# Altium PCB 电磁阀V3.0.PcbDoc (part 1 of 2) (continued)
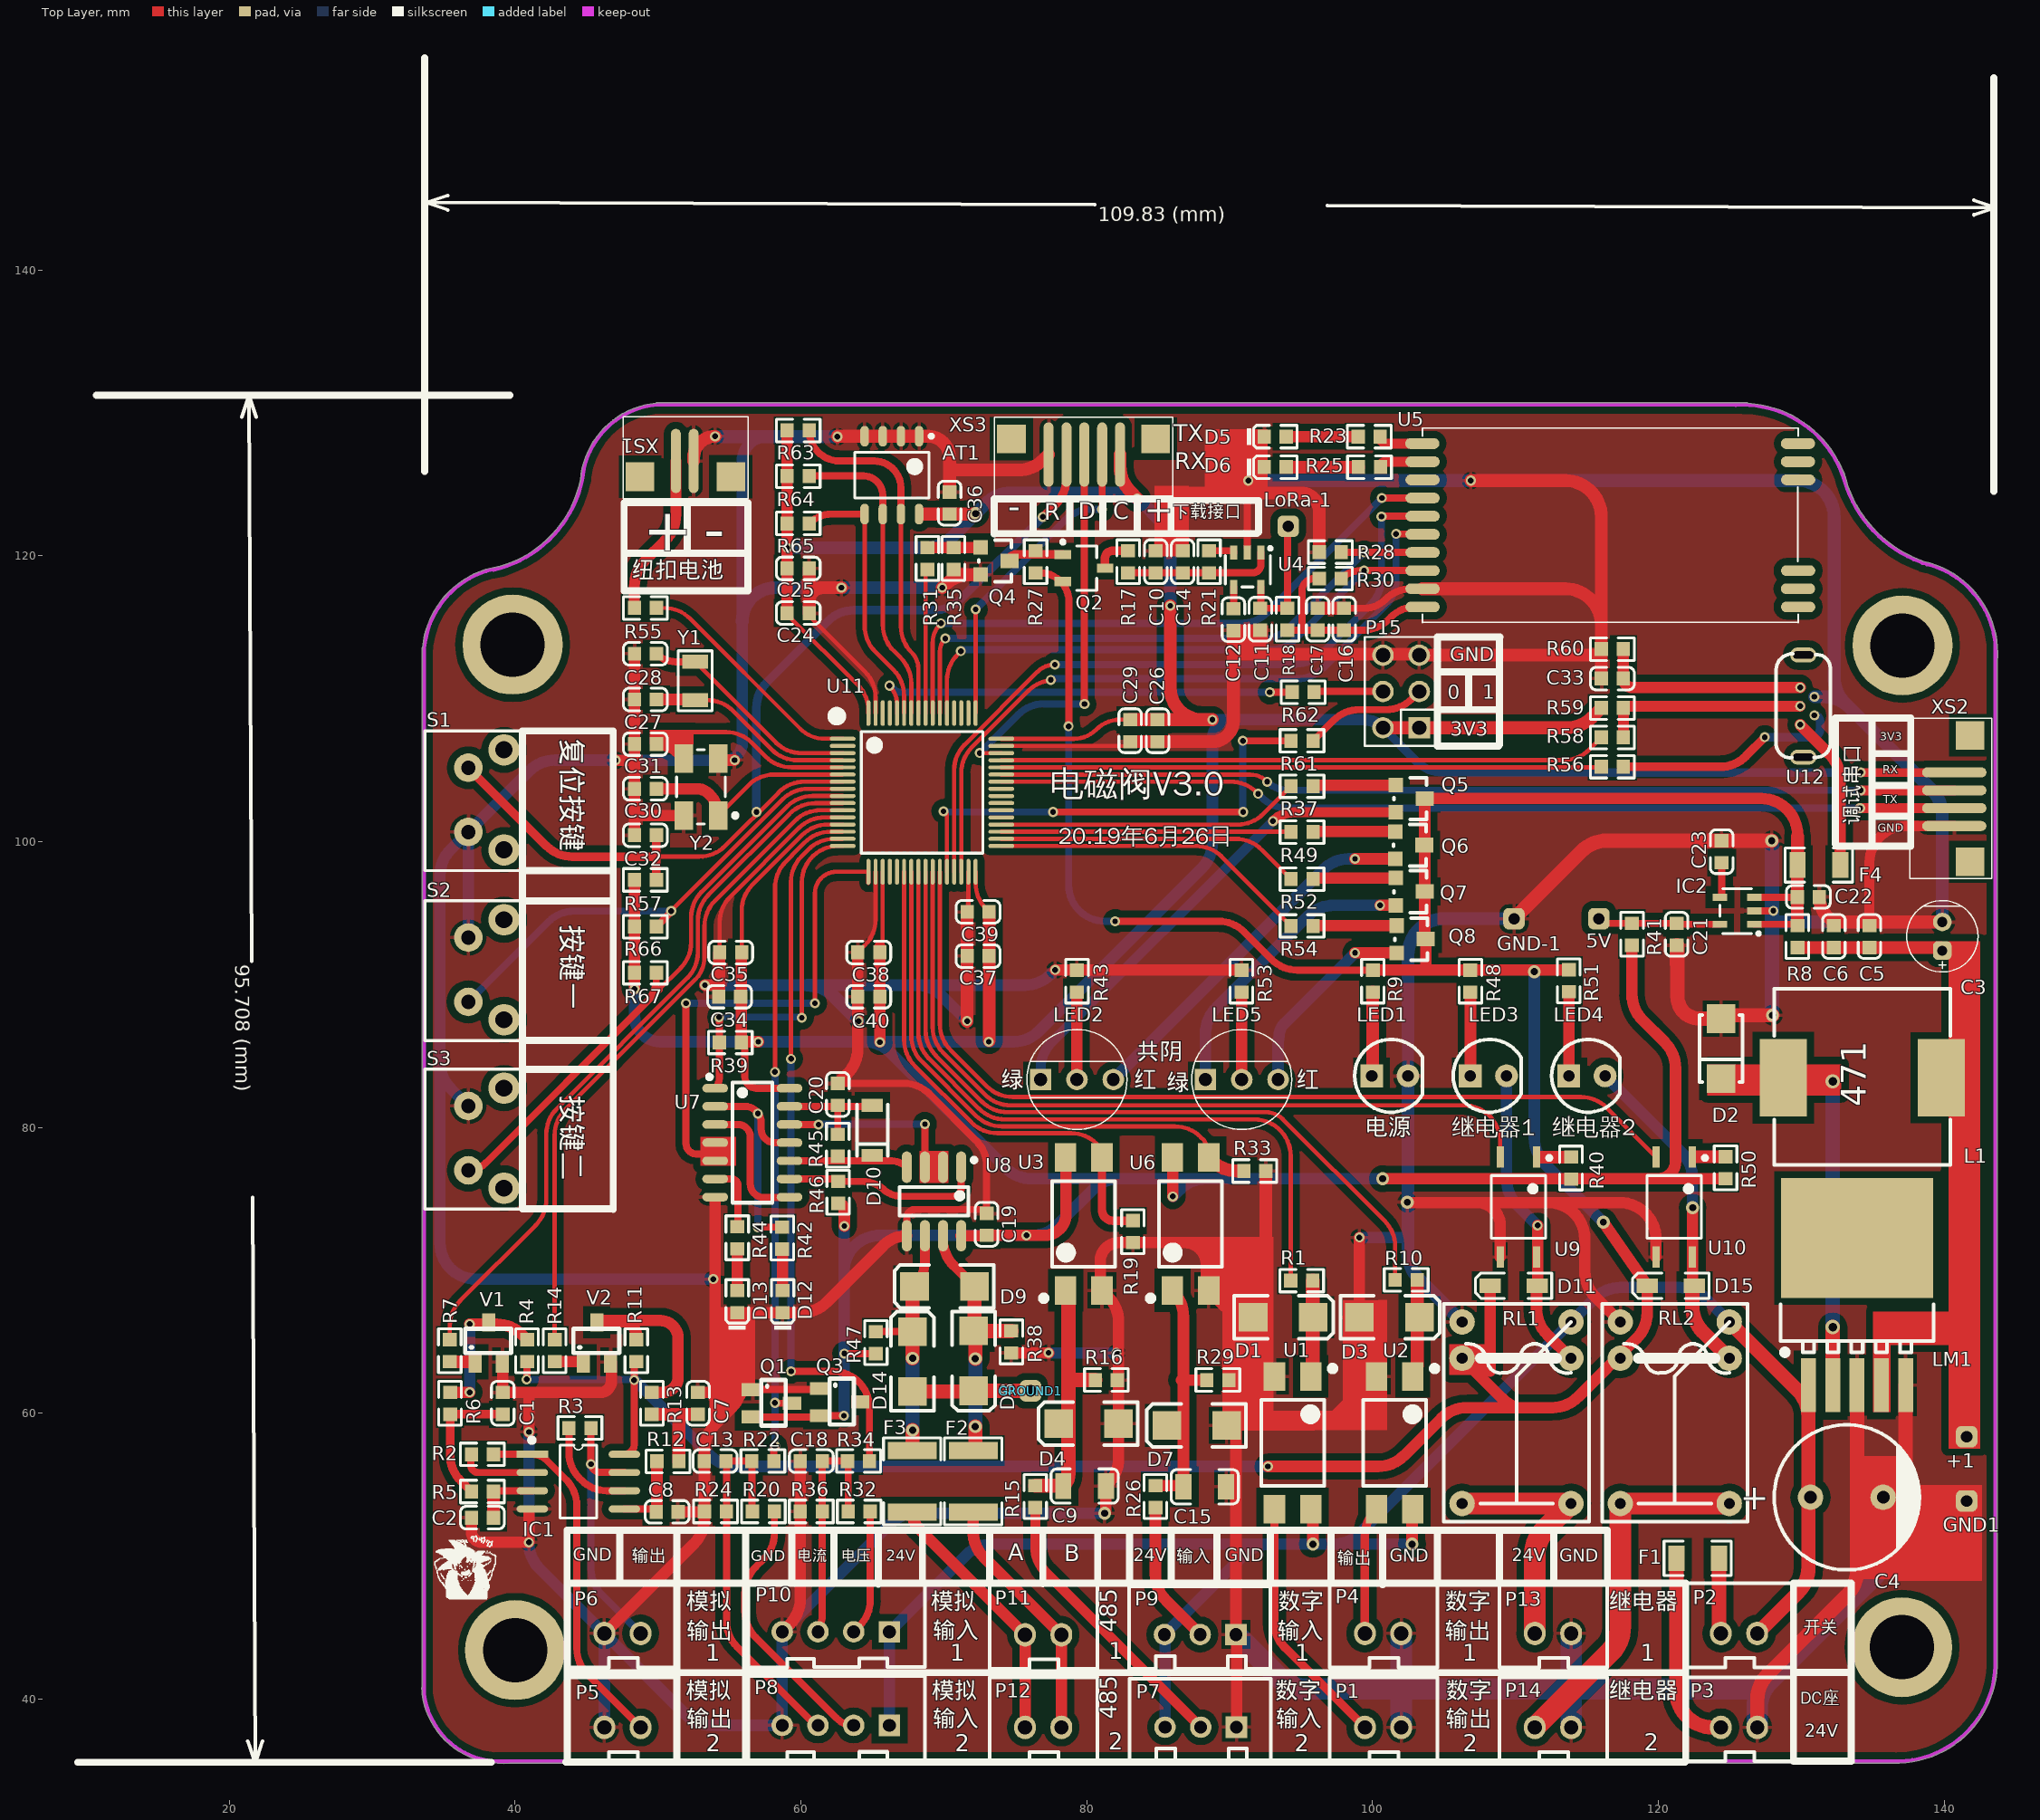
[diagram p0: Top Layer view]
## Components (designator, comment, footprint, x,y, rotation, side; value= is the part's Value field where it differs from the comment) (continued)
R38 "4.7KΩ (4701) ±1%" LC-0603_R 74.727,64.999 r90 top
R39 "4.7KΩ (4701) ±1%" LC-0603_R 55.067,85.954 r0 top
R40 "330Ω (3300) ±1%" LC-0603_R 113.894,77.165 r270 top
R41 "0Ω (0R0) ±1%" LC-0603_R 118.161,93.523 r270 top
R42 "1KΩ (1001) ±1%" LC-0603_R 58.699,72.263 r90 top
R43 "1KΩ (1001) ±1%" LC-0603_R 79.324,90.246 r270 top
R44 "1KΩ (1001) ±1%" LC-0603_R 55.55,72.288 r90 top
R45 "56KΩ (5602) ±1%" LC-0603_R 62.586,78.765 r90 top
R46 "4.7KΩ (4701) ±1%" LC-0603_R 62.611,75.463 r90 top
R47 "4.7KΩ (4701) ±1%" LC-0603_R 65.253,64.948 r90 top
R48 "1KΩ (1001) ±1%" LC-0603_R 106.858,90.246 r270 top
R49 "1KΩ (1001) ±1%" LC-0603_R 95.072,100.681 r180 top
R50 "330Ω (3300) ±1%" LC-0603_R 124.714,77.191 r270 top
R51 "1KΩ (1001) ±1%" LC-0603_R 113.741,90.272 r270 top
R52 "1KΩ (1001) ±1%" LC-0603_R 95.072,97.384 r0 top
R53 "1KΩ (1001) ±1%" LC-0603_R 90.83,90.246 r270 top
R54 "1KΩ (1001) ±1%" LC-0603_R 95.072,94.107 r180 top
R55 "0R" R-0603 49.124,116.357 r0 top
R56 "22Ω (22R0) ±1%" LC-0603_R 116.789,105.245 r180 top
R57 "10K" R-0603 49.124,97.333 r180 top
R58 "22Ω (22R0) ±1%" LC-0603_R 116.789,107.302 r180 top
R59 "1KΩ (1001) ±1%" LC-0603_R 116.789,109.36 r180 top
R60 "10KΩ (1002) ±1%" LC-0603_R 116.789,113.474 r0 top
R61 "10K" R-0603 95.072,107.061 r0 top
R62 "10K" R-0603 95.148,110.465 r180 top
R63 "10KΩ (1002) ±1%" LC-0603_R 59.817,128.778 r180 top
R64 "10KΩ (1002) ±1%" LC-0603_R 59.817,125.578 r180 top
R65 "10KΩ (1002) ±1%" LC-0603_R 59.817,122.276 r180 top
R66 "10KΩ (1002) ±1%" LC-0603_R 49.124,94.056 r0 top
R67 "10KΩ (1002) ±1%" LC-0603_R 49.124,90.83 r0 top
RL1 "HK4100F-DC5V-SHG" HK4100F-DC5V-SHG 110.134,59.639 r270 top
RL2 "HK4100F-DC5V-SHG" HK4100F-DC5V-SHG 121.209,59.639 r270 top
S1 "6*6*12" KEY-7.0*7.0 37.978,102.931 r90 top
S2 "6*6*12" KEY-7.0*7.0 37.978,91.044 r90 top
S3 "6*6*12" KEY-7.0*7.0 37.978,79.259 r90 top
U1 "PC817" LC-SMD-4 94.412,57.937 r270 top
U2 "PC817" LC-SMD-4 101.549,57.937 r270 top
U3 "PC817" LC-SMD-4 79.801,73.255 r90 top
U4 "CAT6219-330TD-GT3" SOT23-5 92.268,117.888 r180 top
U5 "M-KL9" M-KL9 104.124,127.864 r0 top
U6 "PC817" LC-SMD-4 87.274,73.255 r90 top
U7 "74HC04D" SOIC-14_150mil 56.607,78.943 r270 top
U8 "MAX485ESA" SOP-8_150mil 69.317,74.828 r180 top
U9 "TLP187" "TLP187 - duplicate" 110.211,74.447 r270 top
U10 "TLP187" "TLP187 - duplicate" 121.107,74.447 r270 top
U11 "STM32F103RCT6" LQFP-64_10x10x05P 68.478,103.454 r270 top
U12 "立式micro 5p USB插座" "USB插座 micro 5p" 129.93,109.493 r90 top
V1 "S8050" SOT-23-3 37.211,63.602 r0 top
V2 "S8050" SOT-23-3 44.78,63.602 r0 top
XS1 "2Pin 2.54" JXT-2 51.252,126.644 r270 top
XS2 "1.27 4PIN" JXT-4 140.716,101.101 r0 top
XS3 "Header 2.54X4" JXT-5 82.336,127.094 r90 top
Y1 "32.768k" 3215_32.768K 52.603,111.252 r90 top
Y2 "8MHz ±20ppm 20pF" LC-SMD-5032_4P 53.01,103.835 r90 top

## Footprints (in the part's own frame and the unit in brackets; to place one, negate y for a bottom-side part, rotate by r counter-clockwise, add the part's x,y. Pads: shape width x height; smd on the part's side, far side on the other; paste and mask are expansions set on the pad)
2Pin-2.54A [mil]
  oval 60x65 hole 39.37: 1(0,0) 2(-100.1,0)
  silkscreen extent -200,-138 97,93, body extent -198,-142 98,94, height 276
3PIN-2.54 [mm]
  rect 1.5x1.5 hole 0.9: 1(0,0)
  round 1.5 hole 0.9: 2(2.5,0) 3(5,0)
  silkscreen extent -2.41,-3.38 7.47,2.39, body extent -2.41,-3.41 7.49,2.34, height 7
"4PIN-2.54 A" [mm]
  rect 1.5x1.5 hole 0.9: 1(0,0)
  round 1.5 hole 0.9: 2(2.5,0) 3(5,0) 4(7.5,0)
  silkscreen extent -2.49,-3.45 9.88,2.49, body extent -2.47,-3.38 9.93,2.37, height 7
201S2X3 [mm]
  rect 1.5x1.5 hole 1: 1(0,0)
  round 1.5 hole 1: 2(0,2.54) 3(2.54,0) 4(2.54,2.54) 5(5.08,0) 6(5.08,2.54)
  silkscreen extent -1.27,-1.27 6.35,3.81, body extent -1.27,-1.23 6.35,3.77, height 8.4
3215_32.768K [mm]
  rect 1x1.8 smd: 1(-1.346,0) 2(1.346,0)
  silkscreen extent -2.08,-1.19 2.11,1.19, body extent -1.53,-0.71 1.67,0.79, height 0.86
AT24C02 [mm]
  oval 1.45x0.6 smd: 1(-2.725,1.905) 2(-2.725,0.635) 3(-2.725,-0.635) 4(-2.725,-1.905) 5(2.725,-1.905) 6(2.725,-0.635) 7(2.725,0.635) 8(2.725,1.905)
  silkscreen extent -2.85,-2.6 1.6,2.88, body extent -2,-2.6 2,2.6, height 2.65
C10x16 [mil] "RB.2/"
  round 70 hole 35: 1(0,1) 2(-200,1)
  silkscreen extent -300,-199 100,201, body extent -297,-198 97,196, height 709
C-0603 [mm]
  rect 0.93x0.98 smd: 1(-0.77,0) 2(0.77,0)
  silkscreen extent -1.54,-0.79 1.53,0.79, body extent -0.8,-0.4 0.8,0.4, height 0.3
CAP5*X [mm]
  rrect50% 1.3x1.3 hole 0.7: 1(0,0)
  round 1.3 hole 0.7: 2(2,0)
  silkscreen extent -1.5,-2.5 3.5,2.5, body extent -1.52,-2.44 3.48,2.54, height 10.06
DO-214AC [mm]
  rect 2x2 smd: 1(-2.049,0) 2(2.151,0)
  silkscreen extent -3.38,-1.5 3.55,1.5, body extent -2.25,-1.35 2.35,1.35, height 2.4
Fuse-1206 [mm]
  rect 1.13x1.8 smd: 1(-1.49,0) 2(1.49,0)
  silkscreen extent -2.36,-1.2 2.35,1.2, body extent -1.58,-0.83 1.63,0.83, height 0.56
FUSE-1206 [mm]
  rect 1.13x1.8 smd: 1(-1.49,0) 2(1.49,0)
  silkscreen extent -2.36,-1.2 2.35,1.2, body extent -1.58,-0.83 1.63,0.83, height 0.56
HK4100F-DC5V-SHG [mil]
  round 70 hole 30: 1(-266,-152) 2(-166,-152) 3(234,-152) 4(234,148) 5(-166,148) 6(-266,148)
  silkscreen extent -316,-202 284,198, body extent -318,-208 288,202, height 465
JXT-2 [mm] "1.27"
  rect 2x2 smd: 0(1.1,3.85) 0(1.1,-2.5)
  oval 4.5x0.7 smd: 1(0,1.25) 2(0,0)
  silkscreen extent -3.1,-3.68 2.62,5.05, body extent -1.86,-3.26 2.84,4.53, height 3.35
JXT-4 [mm]
  rect 2x2 smd: 0(1.1,-2.5) 0(1.1,6.35)
  oval 4.5x0.7 smd: 1(0,3.75) 2(0,2.5) 3(0,1.25) 4(0,0)
  silkscreen extent -3.1,-3.68 2.62,7.55, body extent -2.08,-3.27 2.62,7.02, height 3.35
JXT-5 [mm]
  rect 2x2 smd: 0(1.1,7.6) 0(1.1,-2.5)
  oval 4.5x0.7 smd: 1(0,5) 2(0,3.75) 3(0,2.5) 4(0,1.25) 5(0,0)
  silkscreen extent -3.1,-3.68 2.62,8.8, body extent -2.01,-3.26 2.69,8.28, height 3.35
KEY-7.0*7.0 [mm]
  round 2.2 hole 1.2: 0(-3.5,-1.25) 0(3.5,-1.25)
  round 2 hole 1: 1(-2.25,1.25) 2(2.25,1.25)
  silkscreen extent -4.95,-2.54 4.83,4.29
LC-0603_C [mm]
  rect 0.93x0.98 smd: 1(-0.77,0) 2(0.77,0)
  silkscreen extent -1.53,-0.79 1.54,0.79, body extent -0.8,-0.4 0.8,0.4, height 0.3
LC-0603_LED_S1 [mm]
  rect 0.93x0.98 smd: A(0.77,0) K(-0.77,0)
  silkscreen extent -1.97,-0.79 1.54,0.79, body extent -0.8,-0.4 0.8,0.4, height 0.6
LC-0603_R [mm]
  rect 0.93x0.98 smd: 1(-0.77,0) 2(0.77,0)
  silkscreen extent -1.53,-0.79 1.54,0.79, body extent -0.85,-0.4 0.85,0.4, height 0.56
LC-1206_C [mm]
  rect 1.13x1.8 smd: 1(-1.49,0) 2(1.49,0)
  silkscreen extent -2.36,-1.2 2.36,1.2, body extent -1.6,-0.81 1.6,0.79, height 1
LC-SMA(DO-214AC)_S1 [mm]
  rect 2x2 smd: 1(2.1,0) 2(-2.1,0)
  silkscreen extent -2.35,-1.5 2.35,1.5
LC-SMD-4 [mm]
  rect 2x1.5 smd: 1(-4.65,1.27) 2(-4.65,-1.27) 3(4.65,-1.27) 4(4.65,1.27)
  silkscreen extent -5.4,-2.2 3,3, body extent -5.02,-2.42 5.01,2.42, height 3.9
LC-SMD-5032_4P [mm]
  rect 2x1.3 smd: 1(-2,-1.2) 2(2,-1.2) 3(2,1.2) 4(-2,1.2)
  silkscreen extent -2.6,-2.55 2.6,1.7
LC-SOT-23-3L [mm] "http://www.aosmd.com/res/packaging_information/SOT-2"
  rect 1.15x0.65 smd: 1(1.475,-0.95) 2(1.475,0.95) 3(-1.475,0)
  silkscreen extent -0.9,-1.95 1.6,1.55, body extent -0.9,-1.55 0.9,1.55, height 1.25
LC-TO-263-5 [mm]
  rect 8.4x10.65 smd: 0(-10.3,0)
  rect 3.8x1.05 smd: 1(0,-3.4) 2(0,-1.7) 3(0,0) 4(0,1.7) 5(0,3.4)
  silkscreen extent -5.65,-5.35 -2.1,5.35
LED_5mm [mm]
  rect 1.6x1.6 hole 0.8: 1(0,0)
  round 1.6 hole 0.8: 2(2.54,0)
  silkscreen extent -1.2,-2.54 3.56,2.55, body extent -0.53,-2.03 2.97,1.77, height 6.5
LL-34 [mm]
  rect 0.9x1.5 smd: 1(1.75,0) 2(-1.75,0)
  silkscreen extent -1.8,-1.08 1.8,1.08
LQFP-64_10x10x05P [mm]
  oval 0.28x1.8 smd mask+0.051: 1(-3.75,-5.55) 2(-3.25,-5.55) 3(-2.75,-5.55) 4(-2.25,-5.55) 5(-1.75,-5.55) 6(-1.25,-5.55) 7(-0.75,-5.55) 8(-0.25,-5.55) 9(0.25,-5.55) 10(0.75,-5.55) 11(1.25,-5.55) 12(1.75,-5.55) 13(2.25,-5.55) 14(2.75,-5.55) 15(3.25,-5.55) 16(3.75,-5.55) 33(3.75,5.55) 34(3.25,5.55) 35(2.75,5.55) 36(2.25,5.55) 37(1.75,5.55) 38(1.25,5.55) 39(0.75,5.55) 40(0.25,5.55) 41(-0.25,5.55) 42(-0.75,5.55) 43(-1.25,5.55) 44(-1.75,5.55) 45(-2.25,5.55) 46(-2.75,5.55) 47(-3.25,5.55) 48(-3.75,5.55)
  oval 1.8x0.28 smd mask+0.051: 17(5.55,-3.75) 18(5.55,-3.25) 19(5.55,-2.75) 20(5.55,-2.25) 21(5.55,-1.75) 22(5.55,-1.25) 23(5.55,-0.75) 24(5.55,-0.25) 25(5.55,0.25) 26(5.55,0.75) 27(5.55,1.25) 28(5.55,1.75) 29(5.55,2.25) 30(5.55,2.75) 31(5.55,3.25) 32(5.55,3.75) 49(-5.55,3.75) 50(-5.55,3.25) 51(-5.55,2.75) 52(-5.55,2.25) 53(-5.55,1.75) 54(-5.55,1.25) 55(-5.55,0.75) 56(-5.55,0.25) 57(-5.55,-0.25) 58(-5.55,-0.75) 59(-5.55,-1.25) 60(-5.55,-1.75) 61(-5.55,-2.25) 62(-5.55,-2.75) 63(-5.55,-3.25) 64(-5.55,-3.75)
  silkscreen extent -5.48,-6.12 4.25,4.25, body extent -6,-6 6,6, height 1.6
M-KL9 [mm]
  oval 2.4x0.75 smd: 1(-0.635,0) 2(-0.619,-1.27) 3(-0.619,-2.54) 4(-0.619,-3.81) 5(-0.619,-5.08) 6(-0.619,-6.35) 7(-0.619,-7.62) 8(-0.619,-8.89) 9(-0.619,-10.16) 10(-0.619,-11.43) 11(25.67,-11.43) 12(25.654,-10.16) 13(25.67,-8.89) 14(25.67,-2.54) 15(25.654,-1.27) 16(25.654,0)
  silkscreen extent -0.62,-12.51 25.67,1.09
R-0603 [mm]
  rect 0.93x0.98 smd: 1(-0.77,0) 2(0.77,0)
  silkscreen extent -1.53,-0.79 1.54,0.79, body extent -0.85,-0.4 0.85,0.4, height 0.56
R-1812 [mm]
  rect 1.2x3.42 smd: 1(-2.15,0) 2(2.15,0)
  silkscreen extent -3.05,-2.01 3.05,2.01, body extent -2.25,-1.6 2.25,1.6, height 0.59
SMD,13.8x12.6x7mm [mm]
  rect 5.4x3.3 smd: 1(0,5.334) 2(0,-5.715)
  silkscreen extent -6.1,-6.35 6.22,5.97
SOD-123 [mm]
  rect 1.5x1 smd: 1(1.651,0) 2(-1.651,0)
  silkscreen extent -2.67,-0.89 2.67,0.89, body extent -1.85,-0.77 1.85,0.78, height 1.35
SOIC-14_150mil [mm]
  oval 0.6x1.8 smd: 1(-3.81,-2.6) 2(-2.54,-2.6) 3(-1.27,-2.6) 4(0,-2.6) 5(1.27,-2.6) 6(2.54,-2.6) 7(3.81,-2.6) 8(3.81,2.6) 9(2.54,2.6) 10(1.27,2.6) 11(0,2.6) 12(-1.27,2.6) 13(-2.54,2.6) 14(-3.81,2.6)
  silkscreen extent -4.75,-3.15 4.2,1.4, body extent -4.27,-2.9 4.28,2.9, height 1.75
SOP8 [mm]
  rect 2.2x0.5 smd: 1(0,0)
  oval 2.2x0.5 smd: 2(0,-1.275) 3(0,-2.55) 4(0,-3.825) 5(6.44,-3.825) 6(6.44,-2.55) 7(6.44,-1.275) 8(6.44,0)
  silkscreen extent -0.22,-4.46 4.5,1.18, body extent 0.22,-4.39 6.22,0.51, height 1.7
SOP-8_150mil [mm]
  oval 0.7x2.2 smd: 1(-1.905,-2.4) 2(-0.635,-2.4) 3(0.635,-2.4) 4(1.905,-2.4) 5(1.905,2.4) 6(0.635,2.4) 7(-0.635,2.4) 8(-1.905,2.4)
  silkscreen extent -2.95,-3.05 2.4,1, body extent -2.5,-3.1 2.5,3.1, height 1.75
SOT23-5 [mm]
  rect 0.5x1 smd: 1(0.066,-2.343) 2(1.016,-2.343) 3(1.966,-2.343) 4(1.966,0.057) 5(0.066,0.057)
  silkscreen extent -0.68,-2.74 2.57,0.06, body extent -0.43,-2.54 2.47,0.26, height 1.2
SOT-23 [mil]
  rect 40x40 smd: 1(4.88,0.63) 2(79.88,0.63)
  rect 40x50 smd: 3(41.88,80.63)
  silkscreen extent -15,-4 100,86, body extent -15,-11 99,99, height 47
SOT-23-3 [mil]
  rect 36x59.06 smd: 1(0,0) 2(74.8,0)
  rect 36x50 smd: 3(37,109)
  silkscreen extent -28,24 99,91, body extent -20,-1 94,109, height 47
TEST_POINT [mm]
  rrect50% 1.5x1.5 hole 0.8: 1(0,0)
"TLP187 - duplicate" [mm]
  rect 1.5x0.5 smd: 1(-3.5,1.27) 2(-3.5,-1.27) 3(3.5,-1.27) 4(3.5,1.27)
  silkscreen extent -3.56,-1.9 2.2,2.29, body extent -3.5,-1.93 3.5,1.92, height 2.1
"USB插座 micro 5p" [mm]
  round 0.7 hole 0.4: 1(-1.3,0) 2(-0.65,-1) 3(0,0) 4(0.65,-1) 5(1.3,0)
  oval 1.05x1.84 hole 0.5 slot 1.44 at 90 deg: ""(-3.575,-0.22) ""(3.575,-0.22)
  silkscreen extent -3.61,-2.11 3.66,1.68
˫ɫLED [mm]
  rect 1.5x1.5 hole 0.913: 1(0,0)
  round 1.5 hole 0.913: 2(2.54,0) 3(5.08,0)
  silkscreen extent -0.96,-3.5 6.04,3.5, body extent -0.25,-1.92 5.33,1.92, height 15.3

## Part data
5V +1 GND1 GND-1 GROUND1 LoRa-1: library part TEST_POINT
AT1: library part AT
C1 C2 C6 C7 C8 C10 C13 C17 C18 C19 C20 C33 C36: library part "0603 100nF (104) 10% 50V", "贴"
C3: library part Ca, "直插"
C4: library part CAP_DIP
C5 C11 C14 C16: library part "0603 10uF (106) 10% 10V", "贴"
C9 C15: library part "1206 10nF (103) 10% 50V", "贴"
C12: library part "0603 10nF (103) 10% 50V", "贴"
C21 C22: library part "0603 1uF (105) 10% 50V", "贴"
C23: library part "0603 22nF (223) 10% 50V", "贴"
C24 C29 C34 C39 C40: library part Cap
C25 C26 C27 C28 C30 C31 C32 C35 C37 C38: library part CAP
D1 D3 D4 D7: library part "Diode 1N4001", "¶"
D2: library part "SMA(DO-214AC) SS54", "¶"
D5 D12: library part "0603 红灯", "·"
D6: library part "0603 绿灯", "·"
D8 D9 D14: library part Diode, "通Ó"
D10: library part "Diode Zener", "稳Ñ"
D11 D15: library part 开关二极管
D13: library part "0603 蓝灯", "·"
F1 F4: library part Fuse
F2 F3: library part Fuse_1, "贴片保险丝 0"
IC2: library part CAT6219, "低压差Ï"
L1: "4R7¹"
LED1 LED3 LED4: "发¹"
LED2 LED5: library part LED2_
LM1: library part LM2596, "LM2596-5"
P1 P2 P3 P4 P5 P6 P8 P10 P11 P12 P13 P14: library part Harder
P7 P9: library part harder
P15: library part "Header 2*3"
Q1 Q3: "Ð"
Q2: "MOS(场效应管)"
Q4 Q5 Q6 Q7 Q8: "NPN贴Æ"
R1 R10 R15 R16 R26 R29: library part "0603 510Ω (5100) 1%", "Ì"
R2 R3: library part "0603 200KΩ (2003) 1%", "Ì"
R4 R11 R23 R25: library part "0603 2KΩ (2001) 1%", "Ì"
R5 R6 R12 R13 R21: library part "0603 100KΩ (1003) 1%", "Ì"
R7 R9 R14 R37 R42 R43 R44 R48 R49 R51 R52 R53 R54 R59: library part "0603 1KΩ (1001) 1%", "Ì"
R8 R17 R18 R41: library part "0603 0Ω (0R0) 1%", "Ì"
R19 R33 R38 R39 R46 R47: library part "0603 4.7KΩ (4701) 1%", "Ì"
R20 R32: library part "0603 1.2KΩ (1201) 1%", "Ì"
R22 R28 R30 R34 R35 R60 R63 R64 R65 R66 R67: library part "0603 10KΩ (1002) 1%", "Ì"
R24 R36: library part "0603 120Ω (1200) 1%", "Ì"
R27: library part "0603 100KΩ (1003) 1%"
R31: library part "0603 3.3KΩ (3301) 1%", "Ì"
R40 R50: library part "0603 330Ω (3300) 1%", "Ì"
R45: library part "0603 56KΩ (5602) 1%", "Ì"
R55 R57 R61 R62: library part Res2
R56 R58: library part "0603 22Ω (22R0) 1%", "Ì"
S1 S2 S3: library part SW-PB_4, "侧脚带支架 微型按键"
U4: library part CAT6219, "CA"
U5: library part M-K
U7: library part 74HC14, "6路施密Ì"
U8: "RS48"
U9 U10: library part Q817
U12: library part USB_m
V1 V2: library part NPN, "N"
XS1: library part "Header 2H", "单排插针"
XS2: library part Hea, "1.27Î"
XS3: library part "Header 5", "1.27Î"
Y1: library part CRYSTAL, "Cr"
Y2: library part "SMD-5032_4P 8MHz 20ppm 20pF", "贴"

## Free pads (board coordinates)
  round 7 hole 4.5: 0(39.827,113.792) 0(40.005,43.434) 0(137.058,43.637) 0(137.084,113.741)

## Via types
v1: diameter 0.7, hole 0.4, Top Layer to Bottom Layer, 87 vias
v2: diameter 0.9, hole 0.5, Top Layer to Bottom Layer, 15 vias
v3: diameter 1, hole 0.6, Top Layer to Bottom Layer, 2 vias

## Nets (pads, with @x,y where several pads share a name; then routed paths per layer and width w, separated by ;. In a path a pad name is that pad's centre, name@x,y a point inside that pad or via, vN(x,y) a via of type N, cw(c..) or ccw(c..) an arc to the next point about the centre after c; other vN are vias at no path point)
1Y: R42.2 U7.2 U7.11 | length 16.5
  Top Layer w0.5: U7.2@54.007,81.483 56.083,81.483 cw(c56.083,80.34) 57.226,80.34 57.226,79.883 ccw(c58.166,79.883) 58.166,78.943 U7.11@59.207,78.943 ; v1(56.998,73.025) 56.998,73.033 R42.2@58.699,73.033
  Bottom Layer w0.5: v1(56.998,73.025) v1(56.998,80.975)
2A: U7.3 U7.8 | length 9.5
  Top Layer w0.5: U7.3@54.007,80.213 55.601,80.213 cw(c55.601,79.35) 56.464,79.35 56.464,76.048 ccw(c57.404,76.048) 57.404,75.108 59.182,75.108 ccw(c59.182,75.133) U7.8@59.207,75.133
3.3V: AT1.8 C19.1 C24.1 C25.1 C26.1 C29.2 C34.2 C35.2 C36.2 C37.2 C38.2 C39.1 C40.1 P15.1 P15.2 Q1.2 Q3.2 R39.2 R40.2 R41.2 R46.1 R47.1 R50.2 R57.2 R59.2 R63.2 R64.2 R65.2 R66.1 R67.1 U3.4 U6.4 U7.14 U8.8 U11.13 U11.19 U11.32 U11.48 U11.64 XS2.1 XS3.5 | length 419.4
  Top Layer w0.3: C35.2@55.863,92.253 55.863,95.185 cw(c58.403,95.185) 56.607,96.981 60.085,100.46 cw(c61.882,98.664) 61.882,101.204 U11.13@62.928,101.204 ; C24.1@59.047,116.002 ccw(c59.273,116.002) 59.113,115.842 63.984,110.971 cw(c62.188,109.175) 64.728,109.175 U11.64@64.728,109.004 ; C38.2@65.728,92.202 U11.19@65.728,97.904 ; U11.32@72.228,97.904 72.228,97.097 ccw(c74.768,97.097) 72.972,95.301 C39.1@73.176,95.098 ; U11.48@74.028,107.204 79.115,107.204 ccw(c79.115,109.404) 80.67,107.848 cw(c82.345,106.173) 82.345,108.542 C29.2@83.045,108.542
  Top Layer w0.5: R39.2@55.837,85.954 cw(c55.837,85.708) 56.083,85.708 56.083,83.566 ccw(c56.896,83.566) 56.896,82.753 U7.14@59.207,82.753 ; Q1.2@56.617,59.746 61.169,59.746 ccw(c61.169,60.061) Q3.2@61.392,59.838 63.013,59.838 v1(63.017,59.842) ; v1(63.043,64.186) 63.043,64.178 R47.1@65.253,64.178
  Top Layer w0.6: v1(134.163,104.851) XS2.1@140.716,104.851
  Top Layer w0.8: R57.2@48.354,97.333 R67.1@48.354,90.83 48.354,89.695 v1(48.362,89.687) ; C35.2@55.863,92.253 ccw(c55.924,92.191) 55.837,92.191 R39.2@55.837,85.954 cw(c55.96,85.831) 55.96,86.004 v1(57.023,86.004) ; C24.1@59.047,116.002 v1(59.047,120.574) R65.2@59.047,122.276 R64.2@59.047,125.578 R63.2@59.047,128.778 ; R46.1@62.611,74.693 cw(c62.611,74.262) 63.043,74.262 v1(63.043,73.115) ; C40.1@65.523,89.154 65.523,85.988 v1(65.532,85.979) ; C40.1@65.523,89.586 C38.2@65.523,92.253 C38.2@65.523,92.685 ; U8.8@71.222,72.428 72.97,72.428 ccw(c72.97,72.458) C19.1@73,72.458 v1(75.794,72.458) 77.056,72.458 ccw(c77.056,73.965) 78.562,73.965 78.562,77.874 ccw(c78.531,77.874) U3.4@78.531,77.905 ; U6.4@86.004,77.905 cw(c86.004,77.88) 86.03,77.88 v1(86.03,75.184) ; v2(100.711,76.421) 120.007,76.421 ; R41.2@118.161,92.753 118.161,89.317 ccw(c120.701,89.317) 118.905,87.521 120.465,85.961 cw(c118.669,84.165) 121.209,84.165 121.209,77.622 cw(c120.007,77.622) 120.007,76.421 ; R50.2@124.714,76.421 120.007,76.421
  Top Layer w0.9: AT1.8@68.555,122.929 C36.2@70.409,122.928 ; C36.2@70.409,122.928 72.195,122.928 ccw(c72.195,122.961) 72.228,122.961 v2(72.238,122.961) ; v1@73.176,86.082 C37.2@73.176,91.999 C39.1@73.176,95.098 ; XS3.5@82.336,127.094 82.336,126.285 ccw(c84.876,126.285) 83.08,124.489 v1(83.541,124.028) ; C29.2@83.045,108.542 88.087,108.542 ; v1(85.852,116.51) 85.852,110.777 ccw(c88.087,110.777) 88.087,108.542 ; v1(88.798,108.542) 88.087,108.542 ; P15.2@100.736,107.975 P15.1@103.276,107.975 113.583,107.975 ccw(c113.583,110.515) 115.379,108.719 R59.2@116.019,109.36
  Bottom Layer w0.6: P15.2@100.736,107.975 103.117,105.595 ccw(c104.913,107.391) 104.913,104.851 v1(134.163,104.851)
  Bottom Layer w0.8: v1(48.362,89.687) 48.362,87.808 ccw(c50.165,87.808) 50.165,86.004 v1(57.023,86.004) 64.454,86.004 ; v1(63.017,59.842) 63.017,69.918 ; v1(63.043,73.115) ccw(c63.043,73.09) 63.017,73.09 63.017,69.918 ; v1@86.042,75.171 86.548,75.677 cw(c88.344,73.881) 88.344,76.421 ; v1@88.798,108.56 v1(88.798,108.542) 89.952,108.542 ; v2(100.711,76.421) 88.344,76.421 ; P15.2@100.736,107.975 ccw(c99.368,106.607) 99.368,108.542 89.952,108.542 ; 63.017,69.918 cw(c65.557,69.918) 63.043,70.277 cw(c65.557,69.918) 65.557,72.458 v1(75.794,72.458) 76.181,72.458 ccw(c76.181,74.998) 77.977,73.202 80.452,75.677 cw(c82.248,73.881) 82.248,76.421 ; 64.454,86.004 cw(c64.454,83.464) 66.251,85.26 74.346,77.165 ccw(c76.143,78.961) 76.143,76.421 82.248,76.421 ; 64.454,86.004 v1(73.152,86.004) 74.868,86.004 ccw(c74.868,88.544) 76.665,86.748 88.054,98.138 ccw(c86.258,99.934) 88.798,99.934 88.798,107.188 cw(c90.17,107.188) 89.952,108.542 ; 82.248,76.421 88.344,76.421
  Bottom Layer w0.9: v1(59.047,120.574) 68.798,120.574 ccw(c68.798,123.114) 70.594,121.318 v2(72.238,122.961) 72.941,123.665 cw(c74.738,121.869) 74.215,124.355 cw(c74.738,121.869) 74.738,124.409 82.158,124.409 cw(c82.158,121.869) 83.954,123.665 85.108,122.512 cw(c83.312,120.715) 85.852,120.715 v1(85.852,116.51)
24V: C4.1 LM1.1 P2.2 P7.3 P8.1 P9.3 P10.1 RL1.6 RL2.6 U1.4 U2.4 | length 128.3
  Top Layer w0.8: U1.4@95.682,53.287 cw(c95.314,52.919) 95.834,52.919 v2(95.834,50.851) ; v2(102.768,50.851) 102.768,53.165 cw(c102.942,53.165) U2.4@102.819,53.287 ; 129.767,61.597 129.949,61.414
  Top Layer w1: RL2.6@124.968,66.396 129.767,61.597 cw(c127.971,59.801) 130.511,59.801 130.511,49.239 cw(c127.971,49.239) 129.767,47.443 P2.2@126.926,44.602
  Bottom Layer w0.8: P8.1@66.199,38.169 P10.1@66.199,44.714 71.592,50.107 cw(c73.388,48.311) 73.388,50.851 92.822,50.851 ; P7.3@85.486,38.042 85.486,44.43 ccw(c85.349,44.43) P9.3@85.446,44.526 91.026,50.107 cw(c92.822,48.311) 92.822,50.851 ; v2(102.768,50.851) 97.297,50.851 ; RL2.6@124.968,66.396 123.299,68.065 ccw(c121.503,66.269) 121.503,68.809 117.359,68.809 ccw(c117.359,66.269) 115.563,68.065 RL1.6@113.894,66.396 99.093,51.595 cw(c97.297,53.391) 97.297,50.851 ; 92.822,50.851 v2(95.834,50.851) 97.297,50.851
485RX: U7.4 U7.5 U11.17 | length 34.6
  Top Layer w0.3: v1(60.985,88.697) 60.985,96.393 cw(c62.497,96.393) 62.497,97.904 U11.17@64.728,97.904 U11.17@64.728,97.124
  Top Layer w0.5: v1(51.968,88.697) 51.968,78.867 ccw(c52.68,78.867) 52.68,78.156 54.254,78.156
  Bottom Layer w0.5: v1(51.968,88.697) v1(60.985,88.697)
485TX: R39.1 U7.1 U11.16 | length 24.2
  Top Layer w0.3: v1(60.071,87.69) 60.071,97.164 cw(c62.611,97.164) 60.887,99.03 cw(c62.611,97.164) 62.611,99.704 U11.16@62.928,99.704
  Top Layer w0.5: U7.1@54.007,82.753 ccw(c53.308,83.453) 54.297,83.453 R39.1@54.297,85.954 54.297,87.69 ccw(c54.238,87.69) v1(54.28,87.732)
  Bottom Layer w0.5: 54.712,87.732 v1@60.071,87.732
A: F3.2 P11.1 P12.1 | length 18.3
  Top Layer w0.8: F3.2@67.793,53.095 ccw(c69.458,53.095) 68.28,51.918 P11.1@75.689,44.508 P12.1@75.689,38.024
AIN1: Q1.3 R22.2 U11.14 | length 48.3
  Top Layer w0.3: v1@58.191,83.744 v1(58.191,83.896) 58.191,96.792 cw(c60.731,96.792) 58.935,98.588 59.366,99.019 59.366,99.041 60.285,99.96 cw(c62.081,98.164) 62.081,100.704 U11.14@62.928,100.704
  Top Layer w0.5: R22.2@58.115,56.661 58.115,57.524 cw(c58.377,57.524) v1(58.191,57.709) ; v1(58.191,60.742) ccw(c58.278,60.829) 58.278,60.706 Q1.3@59.385,60.706
  Bottom Layer w0.5: v1(58.191,57.709) v1(58.191,60.742) v1(58.191,83.896)
ANI2: Q3.3 R34.2 U11.15 | length 50.2
  Top Layer w0.3: v1(59.313,84.811) 59.313,97.193 cw(c61.853,97.193) 60.056,98.989 60.528,99.46 cw(c62.324,97.664) 62.324,100.204 U11.15@62.928,100.204
  Top Layer w0.5: v1(59.313,62.941) 62.263,62.941 cw(c62.263,60.401) 64.803,60.401 R34.2@64.803,56.661
  Bottom Layer w0.5: v1(59.313,62.941) v1(59.313,84.811)
AO1: R7.1 U11.10 | length 50
  Top Layer w0.3: R7.1@35.433,65.155 35.433,66.105 cw(c37.973,66.105) 36.177,67.902 41.445,73.17 ccw(c39.649,74.966) 42.189,74.966 42.189,79.542 cw(c44.729,79.542) 42.933,81.338 52.049,90.453 ccw(c50.252,92.249) 52.792,92.249 52.792,94.489 cw(c55.332,94.489) 53.536,96.285 59.212,101.96 cw(c61.008,100.164) 61.008,102.704 U11.10@62.928,102.704
AO2: R14.1 U11.11 | length 46.6
  Top Layer w0.3: R14.1@42.774,65.155 42.774,79.466 cw(c45.314,79.466) 43.518,81.262 52.639,90.383 ; 52.581,90.323 ccw(c50.953,91.951) 52.639,90.383 ; U11.11@62.928,102.204 61.372,102.204 ccw(c61.372,99.664) 59.576,101.46 53.999,95.884 ccw(c55.795,94.088) 53.255,94.088 53.255,91.951 cw(c50.953,91.951) 52.639,90.383
AO-1: IC1.7 P6.2 R3.2 | length 18.4
  Top Layer w0.5: v1(45.314,56.442) v1@45.314,56.54 ; R3.2@45.314,58.979 v1@45.314,56.54 ; IC1.7@47.65,55.86 ccw(c47.63,55.86) 47.63,55.88 45.974,55.88 cw(c45.974,56.54) v1@45.314,56.54
  Bottom Layer w0.5: v1(45.314,56.442) 45.314,49.134 ccw(c47.854,49.134) 46.058,47.338 P6.2@48.793,44.602
AO-2: IC1.1 P5.2 R2.2 | length 25
  Top Layer w0.5: R2.2@38.489,57.135 IC1.1@41.21,57.135 cw(c41.21,55.715) 42.214,56.719 43.579,55.354 cw(c41.783,53.558) 44.323,53.558 44.323,43.546 ccw(c46.863,43.546) 45.067,41.75 P5.2@48.793,38.024
AT_CMD: U5.4 U11.55 | length 43.7
  Top Layer w0.3: U11.55@69.228,109.004 69.228,113.913 cw(c71.177,113.913) v1(69.799,115.291)
  Top Layer w0.5: v1(100.66,124.054) U5.4@103.505,124.054
  Bottom Layer w0.5: v1(69.799,115.291) 90.845,115.291 ccw(c90.845,117.831) 92.641,116.035 v1(100.66,124.054)
B: F2.2 P11.2 P12.2 | length 17.5
  Top Layer w0.8: F2.2@72.06,53.095 72.06,51.733 ccw(c74.6,51.733) 72.804,49.937 P11.2@78.232,44.508 P12.2@78.232,38.024
BOOT0: R62.2 U11.60 | length 30.4
  Top Layer w0.3: v1(66.199,110.922) cw(c64.922,109.645) 66.728,109.645 U11.60@66.728,109.004
  Top Layer w0.5: v1(92.812,110.465) R62.2@94.378,110.465
  Bottom Layer w0.5: v1(66.199,110.922) 66.269,110.922 66.599,110.592 ccw(c66.905,110.898) 66.905,110.465 v1(92.812,110.465)
BOOT1: R61.1 U11.28 | length 33.7
  Top Layer w0.3: v1(69.977,102.133) cw(c69.977,101.882) 70.228,101.882 U11.28@70.228,97.904
  Top Layer w0.5: v1(77.648,102.083) v1(90.957,102.083) ; v1(90.932,107.061) R61.1@94.302,107.061
  Bottom Layer w0.5: v1(69.977,102.133) ccw(c70.028,102.133) 70.028,102.083 v1(77.648,102.083) ; v1(90.932,107.061) 90.932,102.108 ccw(c90.957,102.108) v1(90.957,102.083)
COM+1: P13.1 RL1.3 RL1.4 | length 17.7
  Top Layer w1.5: RL1.3@106.274,53.696 RL1.4@113.894,53.696 112.106,51.908 ccw(c113.902,50.112) 111.362,50.112 111.362,47.555 P13.1@111.362,44.602
COM+2: P14.1 RL2.3 RL2.4 | length 25.7
  Top Layer w1.5: P14.1@111.362,38.024 116.604,43.266 ccw(c114.808,45.062) 117.348,45.062 RL2.3@117.348,53.696 RL2.4@124.968,53.696
D+: R58.1 R59.1 U12.3 | length 14.5
  Top Layer w0.762: R58.1@117.559,107.302 R59.1@117.559,109.36 cw(c117.692,109.36) 117.692,109.493 U12.3@129.93,109.493
D-: R56.1 U12.2 | length 16
  Top Layer w0.6: R56.1@117.559,105.245 124.335,105.245 ccw(c124.335,107.785) 126.131,105.989 v1(127.457,107.315)
  Bottom Layer w0.6: v1(127.457,107.315) 130.759,107.315 ccw(c130.759,107.874) 131.318,107.874 131.318,108.455 ccw(c130.93,108.455) U12.2@130.93,108.843
DI1: R19.2 U3.3 U11.22 | length 35.9
  Top Layer w0.3: U11.22@67.228,97.904 67.228,86.122 ccw(c69.768,86.122) 67.972,84.326 71.951,80.348 ccw(c73.747,82.144) 73.747,79.604 78.925,79.604 cw(c78.925,77.064) 80.721,78.86 80.885,78.695 cw(c79.296,77.905) 81.03,78.285 cw(c79.296,77.905) U3.3@81.071,77.905
  Top Layer w0.6: U3.3@81.071,77.905 81.071,74.25 ccw(c81.839,74.25) 81.839,73.482 83.236,73.482 R19.2@83.236,73.49
DI2: R33.2 U6.3 U11.23 | length 39.3
  Top Layer w0.3: U11.23@67.728,97.904 67.728,86.41 ccw(c70.268,86.41) 68.472,84.613 72.256,80.83 ccw(c74.052,82.626) 74.052,80.086 86.181,80.086 cw(c86.181,77.546) 87.977,79.342 88.21,79.109 cw(c86.211,77.905) U6.3@88.544,77.905
  Top Layer w0.9: U6.3@88.544,77.905 88.744,77.706 ccw(c90.54,79.502) 90.54,76.962 R33.2@91,76.962
DO1: R1.1 U11.24 | length 50.4
  Top Layer w0.3: U11.24@68.228,97.904 68.228,86.621 ccw(c70.768,86.621) 68.972,84.825 72.484,81.313 ccw(c74.28,83.109) 74.28,80.569 91.737,80.569 cw(c91.737,78.029) 94.277,78.029 R1.1@94.277,69.291
DO2: R10.1 U11.25 | length 53.4
  Top Layer w0.3: U11.25@68.728,97.904 68.728,86.807 ccw(c71.268,86.807) 69.472,85.01 72.662,81.821 ccw(c74.458,83.617) 74.458,81.077 92.507,81.077 cw(c92.507,79.298) 93.764,80.556 100.848,73.472 cw(c99.052,71.676) 101.592,71.676 R10.1@101.592,69.342
EPROM_SCL: AT1.6 R64.1 U11.58 | length 21.8
  Top Layer w0.3: AT1.6@65.735,122.929 65.735,115.174 ccw(c68.275,115.174) 66.479,113.378 66.984,112.873 cw(c65.188,111.077) 67.728,111.077 U11.58@67.728,109.004
  Top Layer w0.5: R64.1@60.587,125.578 cw(c60.612,125.578) 60.612,125.603 64.364,125.603 cw(c64.364,124.231) 65.735,124.231 AT1.6@65.735,122.929
EPROM_SDA: AT1.5 R65.1 U11.59 | length 18.9
  Top Layer w0.3: AT1.5@64.465,122.929 64.465,115.099 ccw(c67.005,115.099) 65.209,113.303 66.484,112.028 cw(c64.688,110.232) 67.228,110.232 U11.59@67.228,109.004
  Top Layer w0.5: R65.1@60.587,122.276 cw(c62.164,120.699) 62.164,122.929 AT1.5@64.465,122.929